# KiCad board MQ Breakout.kicad_pcb (continued)
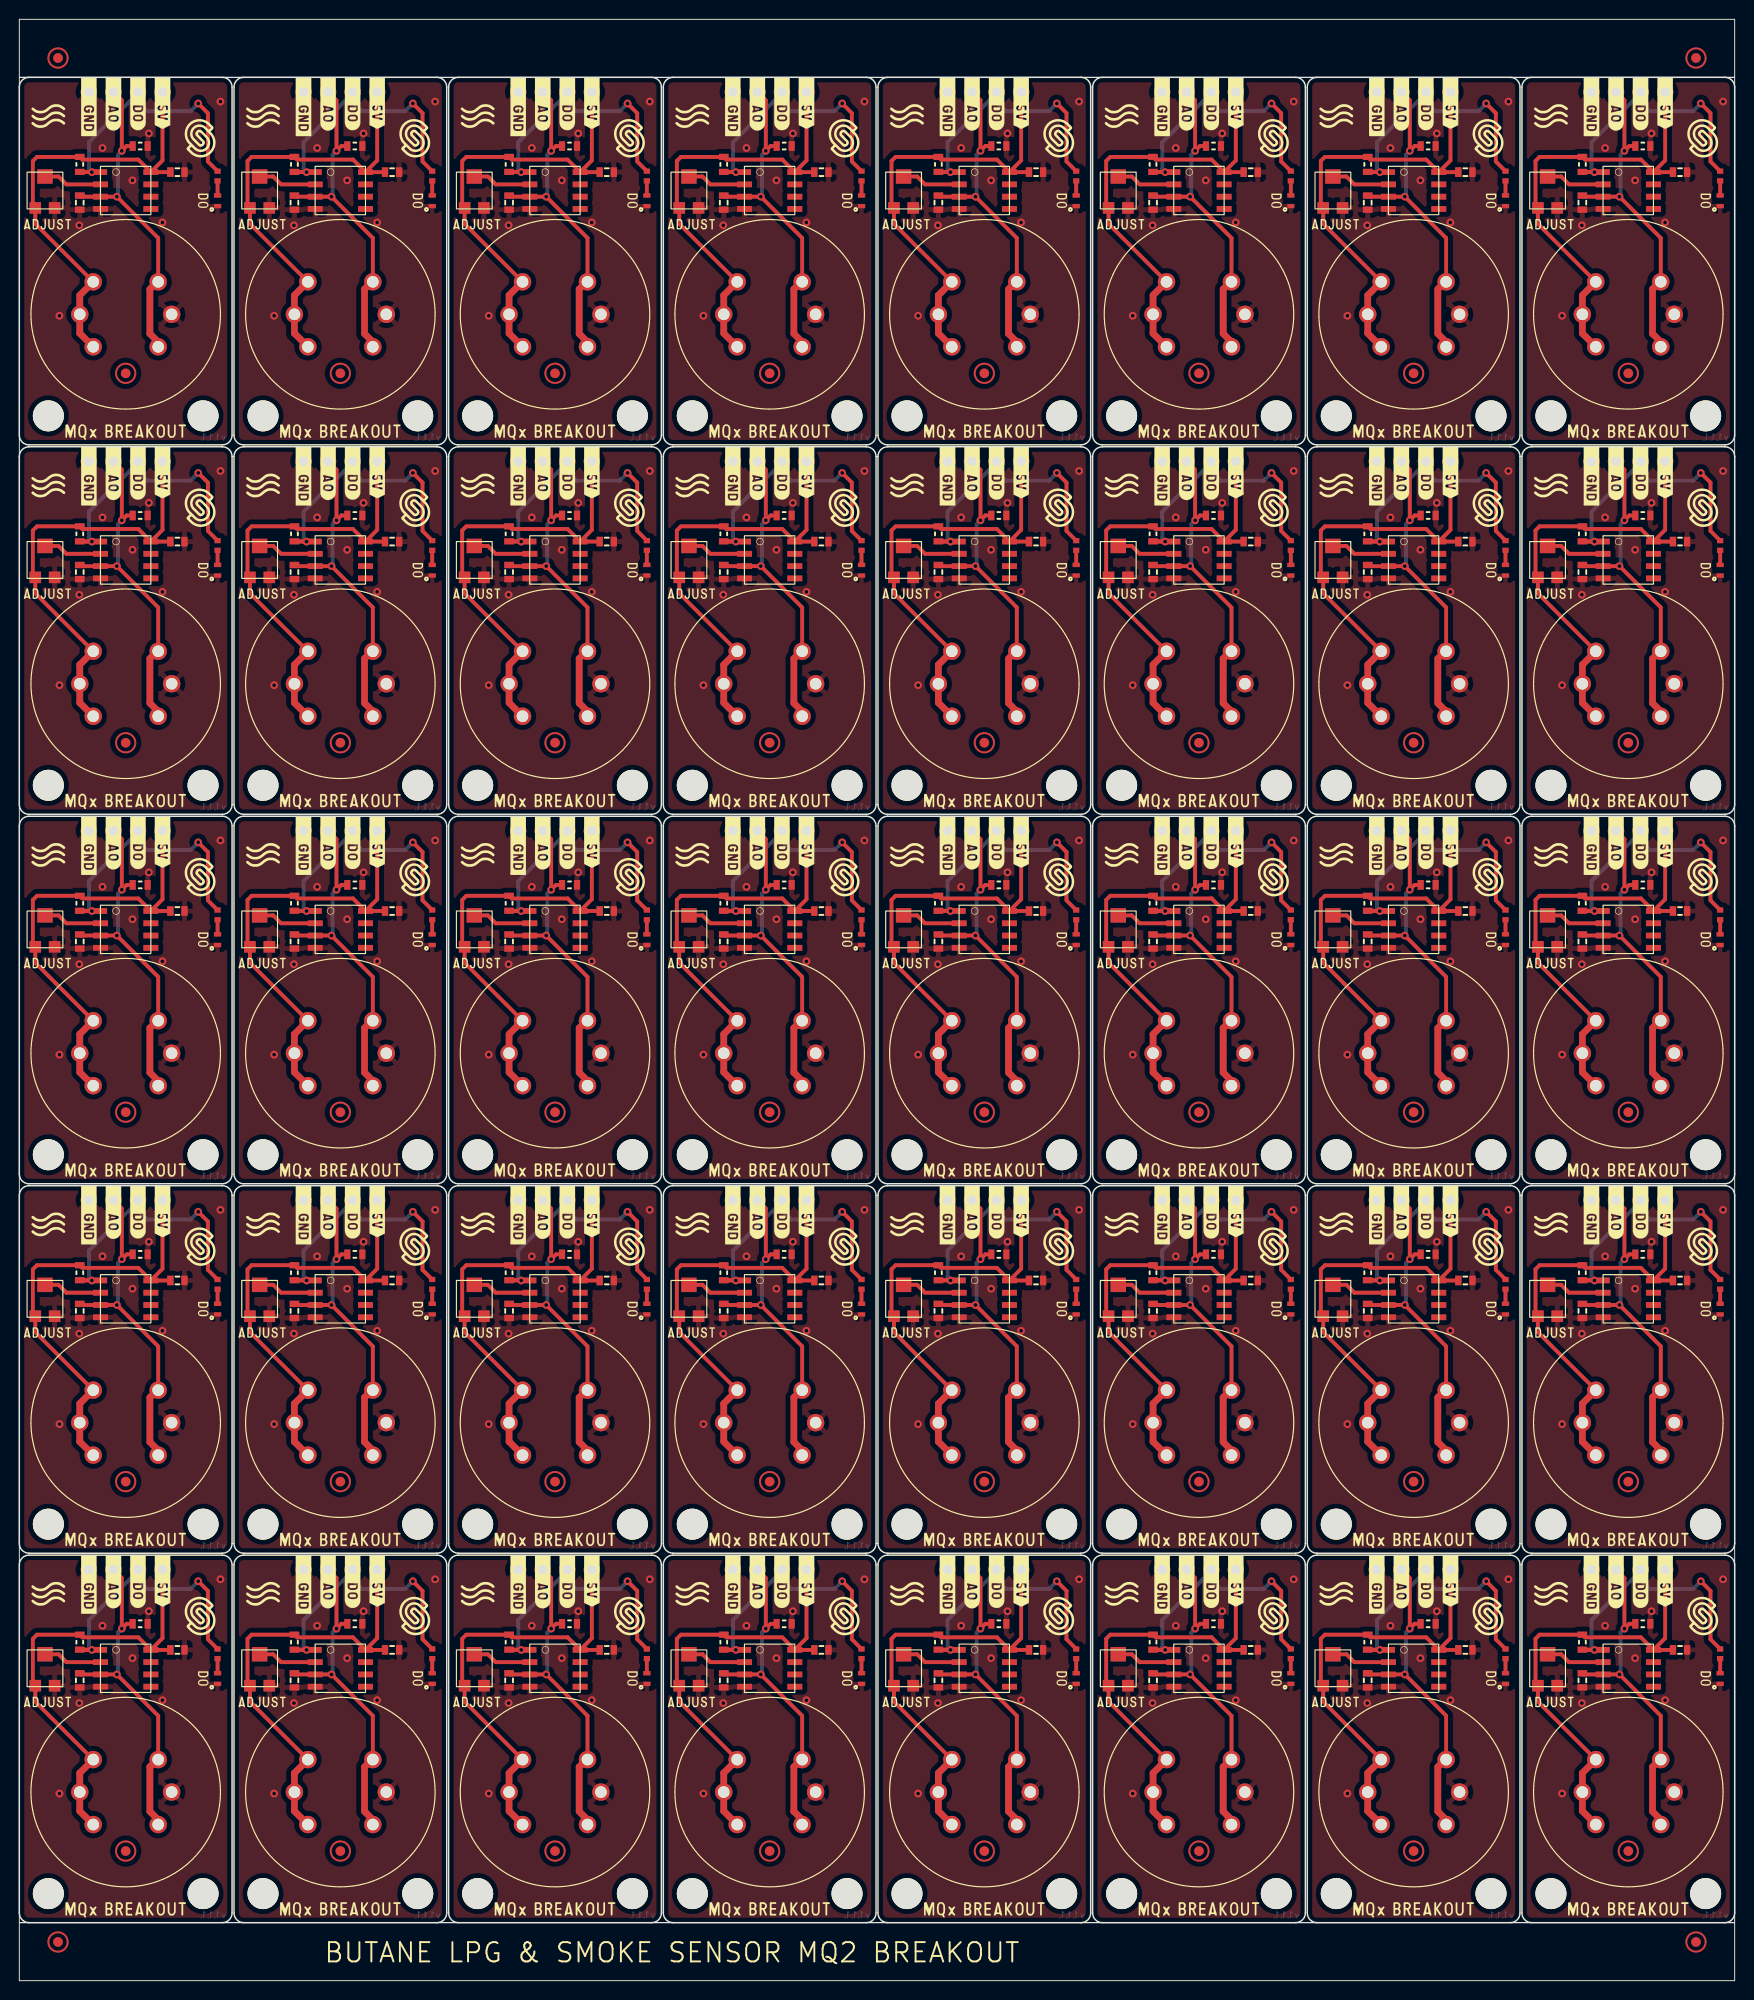
[diagram p0: board, top side]
## Placement (name value [footprint] x y rotation side) (continued)
NOREF#606  -  [buzzardLabel]  60.1 36 180 bottom
NOREF#607  -  [buzzardLabel]  82.3 78.2 180 bottom
NOREF#608  -  [buzzardLabel]  60.1 34 180 bottom
NOREF#609  -  [buzzardLabel]  60.1 110.4 180 bottom
NOREF#610  -  [buzzardLabel]  163.1 34 180 bottom
NOREF#611  -  [buzzardLabel]  171.1 110.4 180 bottom
NOREF#612  -  [buzzardLabel]  37.9 148.6 180 bottom
NOREF#613  -  [buzzardLabel]  163.1 152.6 180 bottom
NOREF#614  -  [buzzardLabel]  74.3 70.2 180 bottom
NOREF#615  -  [buzzardLabel]  96.5 72.2 180 bottom
NOREF#616  -  [buzzardLabel]  118.7 106.4 180 bottom
NOREF#617  -  [buzzardLabel]  104.5 64.2 180 bottom
NOREF#618  -  [buzzardLabel]  7.7 72.2 180 bottom
NOREF#619  -  [buzzardLabel]  60.1 182.8 180 bottom
NOREF#620  -  [buzzardLabel]  29.9 76.2 180 bottom
NOREF#621  -  [buzzardLabel]  104.5 78.2 180 bottom
NOREF#622  -  [buzzardLabel]  74.3 114.4 180 bottom
NOREF#623  -  [buzzardLabel]  15.7 72.2 180 bottom
NOREF#624  -  [buzzardLabel]  15.7 110.4 180 bottom
NOREF#625  -  [buzzardLabel]  52.1 36 180 bottom
NOREF#626  -  [buzzardLabel]  148.9 182.8 180 bottom
NOREF#627  -  [buzzardLabel]  96.5 152.6 180 bottom
NOREF#628  -  [buzzardLabel]  52.1 182.8 180 bottom
NOREF#629  -  [buzzardLabel]  118.7 188.8 180 bottom
NOREF#630  -  [buzzardLabel]  82.3 146.6 180 bottom
NOREF#631  -  [buzzardLabel]  60.1 28 180 bottom
NOREF#632  -  [buzzardLabel]  104.5 72.2 180 bottom
NOREF#633  -  [buzzardLabel]  82.3 28 180 bottom
NOREF#634  -  [buzzardLabel]  104.5 34 180 bottom
NOREF#635  -  [buzzardLabel]  60.1 114.4 180 bottom
NOREF#636  -  [buzzardLabel]  82.3 74.2 180 bottom
NOREF#637  -  [buzzardLabel]  148.9 180.8 180 bottom
NOREF#638  -  [buzzardLabel]  171.1 74.2 180 bottom
NOREF#639  -  [buzzardLabel]  37.9 182.8 180 bottom
NOREF#640  -  [buzzardLabel]  96.5 146.6 180 bottom
NOREF#641  -  [buzzardLabel]  104.5 192.8 180 bottom
NOREF#642  -  [buzzardLabel]  148.9 186.8 180 bottom
NOREF#643  -  [buzzardLabel]  15.7 144.6 180 bottom
NOREF#644  -  [buzzardLabel]  148.9 192.8 180 bottom
NOREF#645  -  [buzzardLabel]  60.1 146.6 180 bottom
NOREF#646  -  [buzzardLabel]  52.1 146.6 180 bottom
NOREF#647  -  [buzzardLabel]  82.3 152.6 180 bottom
NOREF#648  -  [buzzardLabel]  60.1 180.8 180 bottom
NOREF#649  -  [buzzardLabel]  140.9 186.8 180 bottom
NOREF#650  -  [buzzardLabel]  15.7 36 180 bottom
NOREF#651  -  [buzzardLabel]  37.9 144.6 180 bottom
NOREF#652  -  [buzzardLabel]  74.3 38 180 bottom
NOREF#653  -  [buzzardLabel]  104.5 40 180 bottom
NOREF#654  -  [buzzardLabel]  82.3 68.2 180 bottom
NOREF#655  -  [buzzardLabel]  171.1 192.8 180 bottom
NOREF#656  -  [buzzardLabel]  140.9 36 180 bottom
NOREF#657  -  [buzzardLabel]  118.7 32 180 bottom
NOREF#658  -  [buzzardLabel]  29.9 186.8 180 bottom
NOREF#659  -  [buzzardLabel]  171.1 36 180 bottom
NOREF#660  -  [buzzardLabel]  96.5 188.8 180 bottom
NOREF#661  -  [buzzardLabel]  29.9 30 180 bottom
NOREF#662  -  [buzzardLabel]  140.9 34 180 bottom
NOREF#663  -  [buzzardLabel]  126.7 144.6 180 bottom
NOREF#664  -  [buzzardLabel]  104.5 180.8 180 bottom
NOREF#665  -  [buzzardLabel]  15.7 112.4 180 bottom
NOREF#666  -  [buzzardLabel]  171.1 38 180 bottom
NOREF#667  -  [buzzardLabel]  37.9 184.8 180 bottom
NOREF#668  -  [buzzardLabel]  82.3 26 180 bottom
NOREF#669  -  [buzzardLabel]  140.9 76.2 180 bottom
NOREF#670  -  [buzzardLabel]  96.5 150.6 180 bottom
NOREF#671  -  [buzzardLabel]  104.5 68.2 180 bottom
NOREF#672  -  [buzzardLabel]  60.1 188.8 180 bottom
NOREF#673  -  [buzzardLabel]  60.1 192.8 180 bottom
NOREF#674  -  [buzzardLabel]  148.9 152.6 180 bottom
NOREF#675  -  [buzzardLabel]  82.3 76.2 180 bottom
NOREF#676  -  [buzzardLabel]  171.1 40 180 bottom
NOREF#677  -  [buzzardLabel]  82.3 34 180 bottom
NOREF#678  -  [buzzardLabel]  163.1 182.8 180 bottom
NOREF#679  -  [buzzardLabel]  118.7 148.6 180 bottom
NOREF#680  -  [buzzardLabel]  118.7 146.6 180 bottom
NOREF#681  -  [buzzardLabel]  29.9 150.6 180 bottom
NOREF#682  -  [buzzardLabel]  7.7 192.8 180 bottom
NOREF#683  -  [buzzardLabel]  140.9 188.8 180 bottom
NOREF#684  -  [buzzardLabel]  126.7 64.2 180 bottom
NOREF#685  -  [buzzardLabel]  96.5 114.4 180 bottom
NOREF#686  -  [buzzardLabel]  126.7 38 180 bottom
NOREF#687  -  [buzzardLabel]  74.3 152.6 180 bottom
NOREF#688  -  [buzzardLabel]  52.1 108.4 180 bottom
NOREF#689  -  [buzzardLabel]  148.9 184.8 180 bottom
NOREF#690  -  [buzzardLabel]  104.5 152.6 180 bottom
NOREF#691  -  [buzzardLabel]  52.1 34 180 bottom
NOREF#692  -  [buzzardLabel]  60.1 142.6 180 bottom
NOREF#693  -  [buzzardLabel]  118.7 68.2 180 bottom
NOREF#694  -  [buzzardLabel]  140.9 146.6 180 bottom
NOREF#695  -  [buzzardLabel]  163.1 40 180 bottom
NOREF#696  -  [buzzardLabel]  15.7 34 180 bottom
NOREF#697  -  [buzzardLabel]  104.5 186.8 180 bottom
NOREF#698  -  [buzzardLabel]  37.9 192.8 180 bottom
NOREF#699  -  [buzzardLabel]  37.9 152.6 180 bottom
NOREF#700  -  [buzzardLabel]  74.3 72.2 180 bottom
NOREF#701  -  [buzzardLabel]  163.1 154.6 180 bottom
NOREF#702  -  [buzzardLabel]  60.1 178.8 180 bottom
NOREF#703  -  [buzzardLabel]  163.1 110.4 180 bottom
NOREF#704  -  [buzzardLabel]  74.3 68.2 180 bottom
NOREF#705  -  [buzzardLabel]  148.9 64.2 180 bottom
NOREF#706  -  [buzzardLabel]  163.1 144.6 180 bottom
NOREF#707  -  [buzzardLabel]  60.1 184.8 180 bottom
NOREF#708  -  [buzzardLabel]  126.7 102.4 180 bottom
NOREF#709  -  [buzzardLabel]  148.9 36 180 bottom
NOREF#710  -  [buzzardLabel]  37.9 190.8 180 bottom
NOREF#711  -  [buzzardLabel]  7.7 106.4 180 bottom
NOREF#712  -  [buzzardLabel]  163.1 38 180 bottom
NOREF#713  -  [buzzardLabel]  163.1 76.2 180 bottom
NOREF#714  -  [buzzardLabel]  104.5 116.4 180 bottom
NOREF#715  -  [buzzardLabel]  82.3 142.6 180 bottom
NOREF#716  -  [buzzardLabel]  52.1 32 180 bottom
NOREF#717  -  [buzzardLabel]  171.1 186.8 180 bottom
NOREF#718  -  [buzzardLabel]  96.5 112.4 180 bottom
NOREF#719  -  [buzzardLabel]  126.7 192.8 180 bottom
NOREF#720  -  [buzzardLabel]  140.9 116.4 180 bottom
NOREF#721  -  [buzzardLabel]  171.1 102.4 180 bottom
NOREF#722  -  [buzzardLabel]  96.5 38 180 bottom
NOREF#723  -  [buzzardLabel]  126.7 150.6 180 bottom
NOREF#724  -  [buzzardLabel]  171.1 68.2 180 bottom
NOREF#725  -  [buzzardLabel]  140.9 112.4 180 bottom
NOREF#726  -  [buzzardLabel]  52.1 154.6 180 bottom
NOREF#727  -  [buzzardLabel]  126.7 36 180 bottom
NOREF#728  -  [buzzardLabel]  126.7 26 180 bottom
NOREF#729  -  [buzzardLabel]  37.9 74.2 180 bottom
NOREF#730  -  [buzzardLabel]  37.9 66.2 180 bottom
NOREF#731  -  [buzzardLabel]  29.9 144.6 180 bottom
NOREF#732  -  [buzzardLabel]  171.1 64.2 180 bottom
NOREF#733  -  [buzzardLabel]  118.7 38 180 bottom
NOREF#734  -  [buzzardLabel]  7.7 146.6 180 bottom
NOREF#735  -  [buzzardLabel]  171.1 144.6 180 bottom
NOREF#736  -  [buzzardLabel]  104.5 114.4 180 bottom
NOREF#737  -  [buzzardLabel]  171.1 190.8 180 bottom
NOREF#738  -  [buzzardLabel]  82.3 112.4 180 bottom
NOREF#739  -  [buzzardLabel]  118.7 114.4 180 bottom
NOREF#740  -  [buzzardLabel]  96.5 182.8 180 bottom
NOREF#741  -  [buzzardLabel]  140.9 114.4 180 bottom
NOREF#742  -  [buzzardLabel]  171.1 76.2 180 bottom
NOREF#743  -  [buzzardLabel]  126.7 142.6 180 bottom
NOREF#744  -  [buzzardLabel]  104.5 108.4 180 bottom
NOREF#745  -  [buzzardLabel]  15.7 64.2 180 bottom
NOREF#746  -  [buzzardLabel]  29.9 34 180 bottom
NOREF#747  -  [buzzardLabel]  104.5 30 180 bottom
NOREF#748  -  [buzzardLabel]  140.9 110.4 180 bottom
NOREF#749  -  [buzzardLabel]  126.7 180.8 180 bottom
NOREF#750  -  [buzzardLabel]  140.9 72.2 180 bottom
NOREF#751  -  [buzzardLabel]  104.5 184.8 180 bottom
NOREF#752  -  [buzzardLabel]  29.9 108.4 180 bottom
NOREF#753  -  [buzzardLabel]  82.3 102.4 180 bottom
NOREF#754  -  [buzzardLabel]  140.9 154.6 180 bottom
NOREF#755  -  [buzzardLabel]  104.5 146.6 180 bottom
NOREF#756  -  [buzzardLabel]  148.9 116.4 180 bottom
NOREF#757  -  [buzzardLabel]  74.3 150.6 180 bottom
NOREF#758  -  [buzzardLabel]  171.1 146.6 180 bottom
NOREF#759  -  [buzzardLabel]  118.7 116.4 180 bottom
NOREF#760  -  [buzzardLabel]  171.1 30 180 bottom
NOREF#761  -  [buzzardLabel]  104.5 38 180 bottom
NOREF#762  -  [buzzardLabel]  148.9 114.4 180 bottom
NOREF#763  -  [buzzardLabel]  7.7 186.8 180 bottom
NOREF#764  -  [buzzardLabel]  74.3 148.6 180 bottom
NOREF#765  -  [buzzardLabel]  126.7 106.4 180 bottom
NOREF#766  -  [buzzardLabel]  82.3 30 180 bottom
NOREF#767  -  [buzzardLabel]  74.3 32 180 bottom
NOREF#768  -  [buzzardLabel]  52.1 68.2 180 bottom
NOREF#769  -  [buzzardLabel]  140.9 30 180 bottom
NOREF#770  -  [buzzardLabel]  96.5 154.6 180 bottom
NOREF#771  -  [buzzardLabel]  60.1 108.4 180 bottom
NOREF#772  -  [buzzardLabel]  74.3 192.8 180 bottom
NOREF#773  -  [buzzardLabel]  7.7 188.8 180 bottom
NOREF#774  -  [buzzardLabel]  74.3 40 180 bottom
NOREF#775  -  [buzzardLabel]  148.9 148.6 180 bottom
NOREF#776  -  [buzzardLabel]  82.3 108.4 180 bottom
NOREF#777  -  [buzzardLabel]  140.9 70.2 180 bottom
NOREF#778  -  [buzzardLabel]  126.7 190.8 180 bottom
NOREF#779  -  [buzzardLabel]  37.9 34 180 bottom
NOREF#780  -  [buzzardLabel]  7.7 74.2 180 bottom
NOREF#781  -  [buzzardLabel]  15.7 78.2 180 bottom
NOREF#782  -  [buzzardLabel]  171.1 106.4 180 bottom
NOREF#783  -  [buzzardLabel]  163.1 184.8 180 bottom
NOREF#784  -  [buzzardLabel]  7.7 112.4 180 bottom
NOREF#785  -  [buzzardLabel]  29.9 78.2 180 bottom
NOREF#786  -  [buzzardLabel]  82.3 40 180 bottom
NOREF#787  -  [buzzardLabel]  171.1 66.2 180 bottom
NOREF#788  -  [buzzardLabel]  82.3 178.8 180 bottom
NOREF#789  -  [buzzardLabel]  15.7 178.8 180 bottom
NOREF#790  -  [buzzardLabel]  74.3 110.4 180 bottom
NOREF#791  -  [buzzardLabel]  126.7 114.4 180 bottom
NOREF#792  -  [buzzardLabel]  163.1 68.2 180 bottom
NOREF#793  -  [buzzardLabel]  82.3 38 180 bottom
NOREF#794  -  [buzzardLabel]  37.9 64.2 180 bottom
NOREF#795  -  [buzzardLabel]  163.1 70.2 180 bottom
NOREF#796  -  [buzzardLabel]  126.7 32 180 bottom
NOREF#797  -  [buzzardLabel]  60.1 102.4 180 bottom
NOREF#798  -  [buzzardLabel]  148.9 70.2 180 bottom
NOREF#799  -  [buzzardLabel]  37.9 150.6 180 bottom
NOREF#800  -  [buzzardLabel]  118.7 154.6 180 bottom
NOREF#801  -  [buzzardLabel]  7.7 38 180 bottom
NOREF#802  -  [buzzardLabel]  82.3 148.6 180 bottom
NOREF#803  -  [buzzardLabel]  82.3 182.8 180 bottom
NOREF#804  -  [buzzardLabel]  7.7 30 180 bottom
NOREF#805  -  [buzzardLabel]  60.1 152.6 180 bottom
NOREF#806  -  [buzzardLabel]  140.9 32 180 bottom
NOREF#807  -  [buzzardLabel]  82.3 104.4 180 bottom
NOREF#808  -  [buzzardLabel]  96.5 32 180 bottom
NOREF#809  -  [buzzardLabel]  37.9 102.4 180 bottom
NOREF#810  -  [buzzardLabel]  15.7 184.8 180 bottom
NOREF#811  -  [buzzardLabel]  171.1 142.6 180 bottom
NOREF#812  -  [buzzardLabel]  37.9 146.6 180 bottom
NOREF#813  -  [buzzardLabel]  74.3 78.2 180 bottom
NOREF#814  -  [buzzardLabel]  82.3 116.4 180 bottom
NOREF#815  -  [buzzardLabel]  15.7 154.6 180 bottom
NOREF#816  -  [buzzardLabel]  60.1 106.4 180 bottom
NOREF#817  -  [buzzardLabel]  74.3 146.6 180 bottom
NOREF#818  -  [buzzardLabel]  171.1 150.6 180 bottom
NOREF#819  -  [buzzardLabel]  60.1 104.4 180 bottom
NOREF#820  -  [buzzardLabel]  126.7 76.2 180 bottom
NOREF#821  -  [buzzardLabel]  140.9 182.8 180 bottom
NOREF#822  -  [buzzardLabel]  15.7 180.8 180 bottom
NOREF#823  -  [buzzardLabel]  118.7 34 180 bottom
NOREF#824  -  [buzzardLabel]  96.5 68.2 180 bottom
NOREF#825  -  [buzzardLabel]  126.7 140.6 180 bottom
NOREF#826  -  [buzzardLabel]  7.7 76.2 180 bottom
NOREF#827  -  [buzzardLabel]  148.9 106.4 180 bottom
NOREF#828  -  [buzzardLabel]  60.1 144.6 180 bottom
NOREF#829  -  [buzzardLabel]  118.7 110.4 180 bottom
NOREF#830  -  [buzzardLabel]  7.7 34 180 bottom
NOREF#831  -  [buzzardLabel]  96.5 144.6 180 bottom
NOREF#832  -  [buzzardLabel]  37.9 40 180 bottom
NOREF#833  -  [buzzardLabel]  82.3 114.4 180 bottom
NOREF#834  -  [buzzardLabel]  15.7 152.6 180 bottom
NOREF#835  -  [buzzardLabel]  171.1 152.6 180 bottom
NOREF#836  -  [buzzardLabel]  15.7 108.4 180 bottom
NOREF#837  -  [buzzardLabel]  15.7 150.6 180 bottom
NOREF#838  -  [buzzardLabel]  104.5 140.6 180 bottom
NOREF#839  -  [buzzardLabel]  171.1 104.4 180 bottom
NOREF#840  -  [buzzardLabel]  171.1 148.6 180 bottom
R1  10k  [0603R]  12.5 36.9 180 top
R1#2  10k  [0603R]  34.7 113.3 180 top
R1#3  10k  [0603R]  79.1 151.5 180 top
R1#4  10k  [0603R]  145.7 75.1 180 top
R1#5  10k  [0603R]  145.7 151.5 180 top
R1#6  10k  [0603R]  101.3 75.1 180 top
R1#7  10k  [0603R]  167.9 113.3 180 top
R1#8  10k  [0603R]  101.3 36.9 180 top
R1#9  10k  [0603R]  12.5 113.3 180 top
R1#10  10k  [0603R]  34.7 36.9 180 top
R1#11  10k  [0603R]  167.9 189.7 180 top
R1#12  10k  [0603R]  79.1 189.7 180 top
R1#13  10k  [0603R]  56.9 36.9 180 top
R1#14  10k  [0603R]  145.7 189.7 180 top
R1#15  10k  [0603R]  101.3 151.5 180 top
R1#16  10k  [0603R]  123.5 36.9 180 top
R1#17  10k  [0603R]  123.5 151.5 180 top
R1#18  10k  [0603R]  56.9 189.7 180 top
R1#19  10k  [0603R]  34.7 151.5 180 top
R1#20  10k  [0603R]  12.5 189.7 180 top
R1#21  10k  [0603R]  145.7 113.3 180 top
R1#22  10k  [0603R]  101.3 189.7 180 top
R1#23  10k  [0603R]  123.5 189.7 180 top
R1#24  10k  [0603R]  34.7 189.7 180 top
R1#25  10k  [0603R]  79.1 36.9 180 top
R1#26  10k  [0603R]  145.7 36.9 180 top
R1#27  10k  [0603R]  12.5 75.1 180 top
R1#28  10k  [0603R]  56.9 113.3 180 top
R1#29  10k  [0603R]  79.1 113.3 180 top
R1#30  10k  [0603R]  56.9 75.1 180 top
R1#31  10k  [0603R]  123.5 75.1 180 top
R1#32  10k  [0603R]  79.1 75.1 180 top
R1#33  10k  [0603R]  34.7 75.1 180 top
R1#34  10k  [0603R]  167.9 36.9 180 top
R1#35  10k  [0603R]  167.9 151.5 180 top
R1#36  10k  [0603R]  12.5 151.5 180 top
R1#37  10k  [0603R]  123.5 113.3 180 top
R1#38  10k  [0603R]  167.9 75.1 180 top
R1#39  10k  [0603R]  101.3 113.3 180 top
R1#40  10k  [0603R]  56.9 151.5 180 top
R2  TC33X-2-103E  [tc33x-2-103e]  47.05 146.9 0 top
R2#2  TC33X-2-103E  [tc33x-2-103e]  24.85 185.1 0 top
R2#3  TC33X-2-103E  [tc33x-2-103e]  47.05 70.5 0 top
R2#4  TC33X-2-103E  [tc33x-2-103e]  69.25 32.3 0 top
R2#5  TC33X-2-103E  [tc33x-2-103e]  158.05 108.7 0 top
R2#6  TC33X-2-103E  [tc33x-2-103e]  91.45 70.5 0 top
R2#7  TC33X-2-103E  [tc33x-2-103e]  47.05 32.3 0 top
R2#8  TC33X-2-103E  [tc33x-2-103e]  2.65 108.7 0 top
R2#9  TC33X-2-103E  [tc33x-2-103e]  158.05 146.9 0 top
R2#10  TC33X-2-103E  [tc33x-2-103e]  2.65 32.3 0 top
R2#11  TC33X-2-103E  [tc33x-2-103e]  113.65 108.7 0 top
R2#12  TC33X-2-103E  [tc33x-2-103e]  113.65 146.9 0 top
R2#13  TC33X-2-103E  [tc33x-2-103e]  91.45 146.9 0 top
R2#14  TC33X-2-103E  [tc33x-2-103e]  69.25 185.1 0 top
R2#15  TC33X-2-103E  [tc33x-2-103e]  91.45 32.3 0 top
R2#16  TC33X-2-103E  [tc33x-2-103e]  2.65 70.5 0 top
R2#17  TC33X-2-103E  [tc33x-2-103e]  47.05 185.1 0 top
R2#18  TC33X-2-103E  [tc33x-2-103e]  91.45 185.1 0 top
R2#19  TC33X-2-103E  [tc33x-2-103e]  69.25 146.9 0 top
R2#20  TC33X-2-103E  [tc33x-2-103e]  24.85 108.7 0 top
R2#21  TC33X-2-103E  [tc33x-2-103e]  2.65 146.9 0 top
R2#22  TC33X-2-103E  [tc33x-2-103e]  91.45 108.7 0 top
R2#23  TC33X-2-103E  [tc33x-2-103e]  158.05 70.5 0 top
R2#24  TC33X-2-103E  [tc33x-2-103e]  135.85 70.5 0 top
R2#25  TC33X-2-103E  [tc33x-2-103e]  158.05 185.1 0 top
R2#26  TC33X-2-103E  [tc33x-2-103e]  24.85 146.9 0 top
R2#27  TC33X-2-103E  [tc33x-2-103e]  113.65 32.3 0 top
R2#28  TC33X-2-103E  [tc33x-2-103e]  69.25 70.5 0 top
R2#29  TC33X-2-103E  [tc33x-2-103e]  113.65 70.5 0 top
R2#30  TC33X-2-103E  [tc33x-2-103e]  69.25 108.7 0 top
R2#31  TC33X-2-103E  [tc33x-2-103e]  113.65 185.1 0 top
R2#32  TC33X-2-103E  [tc33x-2-103e]  135.85 108.7 0 top
R2#33  TC33X-2-103E  [tc33x-2-103e]  158.05 32.3 0 top
R2#34  TC33X-2-103E  [tc33x-2-103e]  135.85 32.3 0 top
R2#35  TC33X-2-103E  [tc33x-2-103e]  135.85 146.9 0 top
R2#36  TC33X-2-103E  [tc33x-2-103e]  24.85 70.5 0 top
R2#37  TC33X-2-103E  [tc33x-2-103e]  2.65 185.1 0 top
R2#38  TC33X-2-103E  [tc33x-2-103e]  135.85 185.1 0 top
R2#39  TC33X-2-103E  [tc33x-2-103e]  24.85 32.3 0 top
R2#40  TC33X-2-103E  [tc33x-2-103e]  47.05 108.7 0 top
R3  10k  [0603R]  72.85 35 90 top
R3#2  10k  [0603R]  139.45 149.6 90 top
R3#3  10k  [0603R]  28.45 187.8 90 top
R3#4  10k  [0603R]  117.25 149.6 90 top
R3#5  10k  [0603R]  72.85 111.4 90 top
R3#6  10k  [0603R]  28.45 35 90 top
R3#7  10k  [0603R]  50.65 187.8 90 top
R3#8  10k  [0603R]  6.25 111.4 90 top
R3#9  10k  [0603R]  6.25 73.2 90 top
R3#10  10k  [0603R]  95.05 111.4 90 top
R3#11  10k  [0603R]  139.45 187.8 90 top
R3#12  10k  [0603R]  95.05 35 90 top
R3#13  10k  [0603R]  139.45 73.2 90 top
R3#14  10k  [0603R]  117.25 187.8 90 top
R3#15  10k  [0603R]  28.45 73.2 90 top
R3#16  10k  [0603R]  6.25 187.8 90 top
R3#17  10k  [0603R]  28.45 111.4 90 top
R3#18  10k  [0603R]  72.85 187.8 90 top
R3#19  10k  [0603R]  117.25 73.2 90 top
R3#20  10k  [0603R]  161.65 187.8 90 top
R3#21  10k  [0603R]  95.05 187.8 90 top
R3#22  10k  [0603R]  161.65 73.2 90 top
R3#23  10k  [0603R]  95.05 73.2 90 top
R3#24  10k  [0603R]  139.45 111.4 90 top
R3#25  10k  [0603R]  161.65 35 90 top
R3#26  10k  [0603R]  6.25 149.6 90 top
R3#27  10k  [0603R]  117.25 111.4 90 top
R3#28  10k  [0603R]  28.45 149.6 90 top
R3#29  10k  [0603R]  95.05 149.6 90 top
R3#30  10k  [0603R]  72.85 149.6 90 top
R3#31  10k  [0603R]  50.65 73.2 90 top
R3#32  10k  [0603R]  50.65 111.4 90 top
R3#33  10k  [0603R]  50.65 35 90 top
R3#34  10k  [0603R]  161.65 149.6 90 top
R3#35  10k  [0603R]  50.65 149.6 90 top
R3#36  10k  [0603R]  139.45 35 90 top
R3#37  10k  [0603R]  6.25 35 90 top
R3#38  10k  [0603R]  161.65 111.4 90 top
R3#39  10k  [0603R]  117.25 35 90 top
R3#40  10k  [0603R]  72.85 73.2 90 top
R4  2k2  [0402R]  64.9 33.8 270 top
R4#2  2k2  [0402R]  175.9 72 270 top
R4#3  2k2  [0402R]  20.5 72 270 top
R4#4  2k2  [0402R]  153.7 72 270 top
R4#5  2k2  [0402R]  87.1 110.2 270 top
R4#6  2k2  [0402R]  20.5 110.2 270 top
R4#7  2k2  [0402R]  42.7 148.4 270 top
R4#8  2k2  [0402R]  64.9 148.4 270 top
R4#9  2k2  [0402R]  131.5 72 270 top
R4#10  2k2  [0402R]  175.9 186.6 270 top
R4#11  2k2  [0402R]  175.9 33.8 270 top
R4#12  2k2  [0402R]  109.3 186.6 270 top
R4#13  2k2  [0402R]  87.1 148.4 270 top
R4#14  2k2  [0402R]  153.7 33.8 270 top
R4#15  2k2  [0402R]  42.7 33.8 270 top
R4#16  2k2  [0402R]  131.5 148.4 270 top
R4#17  2k2  [0402R]  131.5 33.8 270 top
R4#18  2k2  [0402R]  153.7 148.4 270 top
R4#19  2k2  [0402R]  175.9 148.4 270 top
R4#20  2k2  [0402R]  153.7 186.6 270 top
R4#21  2k2  [0402R]  64.9 186.6 270 top
R4#22  2k2  [0402R]  64.9 72 270 top
R4#23  2k2  [0402R]  109.3 110.2 270 top
R4#24  2k2  [0402R]  87.1 33.8 270 top
R4#25  2k2  [0402R]  87.1 72 270 top
R4#26  2k2  [0402R]  131.5 110.2 270 top
R4#27  2k2  [0402R]  87.1 186.6 270 top
R4#28  2k2  [0402R]  20.5 33.8 270 top
R4#29  2k2  [0402R]  42.7 186.6 270 top
R4#30  2k2  [0402R]  109.3 33.8 270 top
R4#31  2k2  [0402R]  131.5 186.6 270 top
R4#32  2k2  [0402R]  175.9 110.2 270 top
R4#33  2k2  [0402R]  42.7 110.2 270 top
R4#34  2k2  [0402R]  20.5 186.6 270 top
R4#35  2k2  [0402R]  64.9 110.2 270 top
R4#36  2k2  [0402R]  153.7 110.2 270 top
R4#37  2k2  [0402R]  42.7 72 270 top
R4#38  2k2  [0402R]  109.3 72 270 top
R4#39  2k2  [0402R]  20.5 148.4 270 top
R4#40  2k2  [0402R]  109.3 148.4 270 top
REF**  Logo-Front-SolderedFULL-15mm  [Logo-Back-SolderedFULL-15mm]  33.2 127.6 0 top
REF**#2  Logo-Front-SolderedFULL-15mm  [Logo-Back-SolderedFULL-15mm]  11 89.4 0 top
REF**#3  Logo-Front-SolderedFULL-15mm  [Logo-Back-SolderedFULL-15mm]  33.2 13 0 top
REF**#4  Logo-Front-SolderedFULL-15mm  [Logo-Back-SolderedFULL-15mm]  11 13 0 top
REF**#5  Logo-Front-SolderedFULL-15mm  [Logo-Back-SolderedFULL-15mm]  77.6 51.2 0 top
REF**#6  Logo-Front-SolderedFULL-15mm  [Logo-Back-SolderedFULL-15mm]  11 165.8 0 top
REF**#7  Logo-Front-SolderedFULL-15mm  [Logo-Back-SolderedFULL-15mm]  99.8 165.8 0 top
REF**#8  Logo-Front-SolderedFULL-15mm  [Logo-Back-SolderedFULL-15mm]  33.2 51.2 0 top
REF**#9  Logo-Front-SolderedFULL-15mm  [Logo-Back-SolderedFULL-15mm]  33.2 165.8 0 top
REF**#10  Logo-Front-SolderedFULL-15mm  [Logo-Back-SolderedFULL-15mm]  144.2 89.4 0 top
REF**#11  Logo-Front-SolderedFULL-15mm  [Logo-Back-SolderedFULL-15mm]  99.8 127.6 0 top
REF**#12  Logo-Front-SolderedFULL-15mm  [Logo-Back-SolderedFULL-15mm]  144.2 127.6 0 top
REF**#13  Logo-Front-SolderedFULL-15mm  [Logo-Back-SolderedFULL-15mm]  122 127.6 0 top
REF**#14  Logo-Front-SolderedFULL-15mm  [Logo-Back-SolderedFULL-15mm]  166.4 51.2 0 top
REF**#15  Logo-Front-SolderedFULL-15mm  [Logo-Back-SolderedFULL-15mm]  77.6 89.4 0 top
REF**#16  Logo-Front-SolderedFULL-15mm  [Logo-Back-SolderedFULL-15mm]  122 13 0 top
REF**#17  Logo-Front-SolderedFULL-15mm  [Logo-Back-SolderedFULL-15mm]  144.2 51.2 0 top
REF**#18  Logo-Front-SolderedFULL-15mm  [Logo-Back-SolderedFULL-15mm]  77.6 13 0 top
REF**#19  Logo-Front-SolderedFULL-15mm  [Logo-Back-SolderedFULL-15mm]  122 165.8 0 top
REF**#20  Logo-Front-SolderedFULL-15mm  [Logo-Back-SolderedFULL-15mm]  55.4 13 0 top
REF**#21  Logo-Front-SolderedFULL-15mm  [Logo-Back-SolderedFULL-15mm]  77.6 165.8 0 top
REF**#22  Logo-Front-SolderedFULL-15mm  [Logo-Back-SolderedFULL-15mm]  122 51.2 0 top
REF**#23  Logo-Front-SolderedFULL-15mm  [Logo-Back-SolderedFULL-15mm]  33.2 89.4 0 top
REF**#24  Logo-Front-SolderedFULL-15mm  [Logo-Back-SolderedFULL-15mm]  166.4 13 0 top
REF**#25  Logo-Front-SolderedFULL-15mm  [Logo-Back-SolderedFULL-15mm]  166.4 165.8 0 top
REF**#26  Logo-Front-SolderedFULL-15mm  [Logo-Back-SolderedFULL-15mm]  99.8 13 0 top
REF**#27  Logo-Front-SolderedFULL-15mm  [Logo-Back-SolderedFULL-15mm]  55.4 89.4 0 top
REF**#28  Logo-Front-SolderedFULL-15mm  [Logo-Back-SolderedFULL-15mm]  11 51.2 0 top
REF**#29  Logo-Front-SolderedFULL-15mm  [Logo-Back-SolderedFULL-15mm]  11 127.6 0 top
REF**#30  Logo-Front-SolderedFULL-15mm  [Logo-Back-SolderedFULL-15mm]  122 89.4 0 top
REF**#31  Logo-Front-SolderedFULL-15mm  [Logo-Back-SolderedFULL-15mm]  166.4 127.6 0 top
REF**#32  Logo-Front-SolderedFULL-15mm  [Logo-Back-SolderedFULL-15mm]  55.4 165.8 0 top
REF**#33  Logo-Front-SolderedFULL-15mm  [Logo-Back-SolderedFULL-15mm]  99.8 89.4 0 top
REF**#34  Logo-Front-SolderedFULL-15mm  [Logo-Back-SolderedFULL-15mm]  77.6 127.6 0 top
REF**#35  Logo-Front-SolderedFULL-15mm  [Logo-Back-SolderedFULL-15mm]  99.8 51.2 0 top
REF**#36  Logo-Front-SolderedFULL-15mm  [Logo-Back-SolderedFULL-15mm]  166.4 89.4 0 top
REF**#37  Logo-Front-SolderedFULL-15mm  [Logo-Back-SolderedFULL-15mm]  144.2 13 0 top
REF**#38  Logo-Front-SolderedFULL-15mm  [Logo-Back-SolderedFULL-15mm]  55.4 51.2 0 top
REF**#39  Logo-Front-SolderedFULL-15mm  [Logo-Back-SolderedFULL-15mm]  144.2 165.8 0 top
REF**#40  Logo-Front-SolderedFULL-15mm  [Logo-Back-SolderedFULL-15mm]  55.4 127.6 0 top
REF**#41  -  [Version1.1.1.]  20 121.4 180 bottom
REF**#42  -  [Version1.1.1.]  64.4 83.2 180 bottom
REF**#43  -  [Version1.1.1.]  153.2 83.2 180 bottom
REF**#44  -  [Version1.1.1.]  108.8 6.8 180 bottom
REF**#45  -  [Version1.1.1.]  153.2 45 180 bottom
REF**#46  -  [Version1.1.1.]  131 45 180 bottom
REF**#47  -  [Version1.1.1.]  42.2 83.2 180 bottom
REF**#48  -  [Version1.1.1.]  20 83.2 180 bottom
REF**#49  -  [Version1.1.1.]  42.2 121.4 180 bottom
REF**#50  -  [Version1.1.1.]  131 159.6 180 bottom
REF**#51  -  [Version1.1.1.]  42.2 45 180 bottom
REF**#52  -  [Version1.1.1.]  153.2 121.4 180 bottom
REF**#53  -  [Version1.1.1.]  108.8 83.2 180 bottom
REF**#54  -  [Version1.1.1.]  20 45 180 bottom
REF**#55  -  [Version1.1.1.]  86.6 6.8 180 bottom
REF**#56  -  [Version1.1.1.]  175.4 159.6 180 bottom
REF**#57  -  [Version1.1.1.]  86.6 45 180 bottom
REF**#58  -  [Version1.1.1.]  153.2 6.8 180 bottom
REF**#59  -  [Version1.1.1.]  42.2 6.8 180 bottom
REF**#60  -  [Version1.1.1.]  64.4 6.8 180 bottom
REF**#61  -  [Version1.1.1.]  108.8 159.6 180 bottom
REF**#62  -  [Version1.1.1.]  64.4 45 180 bottom
REF**#63  -  [Version1.1.1.]  175.4 6.8 180 bottom
REF**#64  -  [Version1.1.1.]  175.4 121.4 180 bottom
REF**#65  -  [Version1.1.1.]  20 6.8 180 bottom
REF**#66  -  [Version1.1.1.]  86.6 121.4 180 bottom
REF**#67  -  [Version1.1.1.]  175.4 83.2 180 bottom
REF**#68  -  [Version1.1.1.]  64.4 121.4 180 bottom
REF**#69  -  [Version1.1.1.]  108.8 45 180 bottom
REF**#70  -  [Version1.1.1.]  42.2 159.6 180 bottom
REF**#71  -  [Version1.1.1.]  131 83.2 180 bottom
REF**#72  -  [Version1.1.1.]  131 121.4 180 bottom
REF**#73  -  [Version1.1.1.]  175.4 45 180 bottom
REF**#74  -  [Version1.1.1.]  108.8 121.4 180 bottom
REF**#75  -  [Version1.1.1.]  153.2 159.6 180 bottom
REF**#76  -  [Version1.1.1.]  64.4 159.6 180 bottom
REF**#77  -  [Version1.1.1.]  86.6 159.6 180 bottom
REF**#78  -  [Version1.1.1.]  86.6 83.2 180 bottom
REF**#79  -  [Version1.1.1.]  20 159.6 180 bottom
REF**#80  -  [Version1.1.1.]  131 6.8 180 bottom
U1  MQ-X  [MQ]  55.4 172.3 0 top
U1#2  MQ-X  [MQ]  11 19.5 0 top
U1#3  MQ-X  [MQ]  77.6 19.5 0 top
U1#4  MQ-X  [MQ]  77.6 57.7 0 top
U1#5  MQ-X  [MQ]  33.2 19.5 0 top
U1#6  MQ-X  [MQ]  144.2 57.7 0 top
U1#7  MQ-X  [MQ]  55.4 19.5 0 top
U1#8  MQ-X  [MQ]  55.4 95.9 0 top
U1#9  MQ-X  [MQ]  166.4 19.5 0 top
U1#10  MQ-X  [MQ]  33.2 57.7 0 top
U1#11  MQ-X  [MQ]  166.4 172.3 0 top
U1#12  MQ-X  [MQ]  11 134.1 0 top
U1#13  MQ-X  [MQ]  33.2 134.1 0 top
U1#14  MQ-X  [MQ]  99.8 172.3 0 top
U1#15  MQ-X  [MQ]  122 95.9 0 top
U1#16  MQ-X  [MQ]  122 57.7 0 top
U1#17  MQ-X  [MQ]  144.2 95.9 0 top
U1#18  MQ-X  [MQ]  33.2 95.9 0 top
U1#19  MQ-X  [MQ]  99.8 19.5 0 top
U1#20  MQ-X  [MQ]  166.4 57.7 0 top
U1#21  MQ-X  [MQ]  122 19.5 0 top
U1#22  MQ-X  [MQ]  144.2 172.3 0 top
U1#23  MQ-X  [MQ]  122 172.3 0 top
U1#24  MQ-X  [MQ]  122 134.1 0 top
U1#25  MQ-X  [MQ]  77.6 172.3 0 top
U1#26  MQ-X  [MQ]  166.4 134.1 0 top
U1#27  MQ-X  [MQ]  33.2 172.3 0 top
U1#28  MQ-X  [MQ]  77.6 95.9 0 top
U1#29  MQ-X  [MQ]  99.8 57.7 0 top
U1#30  MQ-X  [MQ]  11 57.7 0 top
U1#31  MQ-X  [MQ]  144.2 134.1 0 top
U1#32  MQ-X  [MQ]  55.4 134.1 0 top
U1#33  MQ-X  [MQ]  55.4 57.7 0 top